# KiCad board sap-1_mk2.kicad_pcb
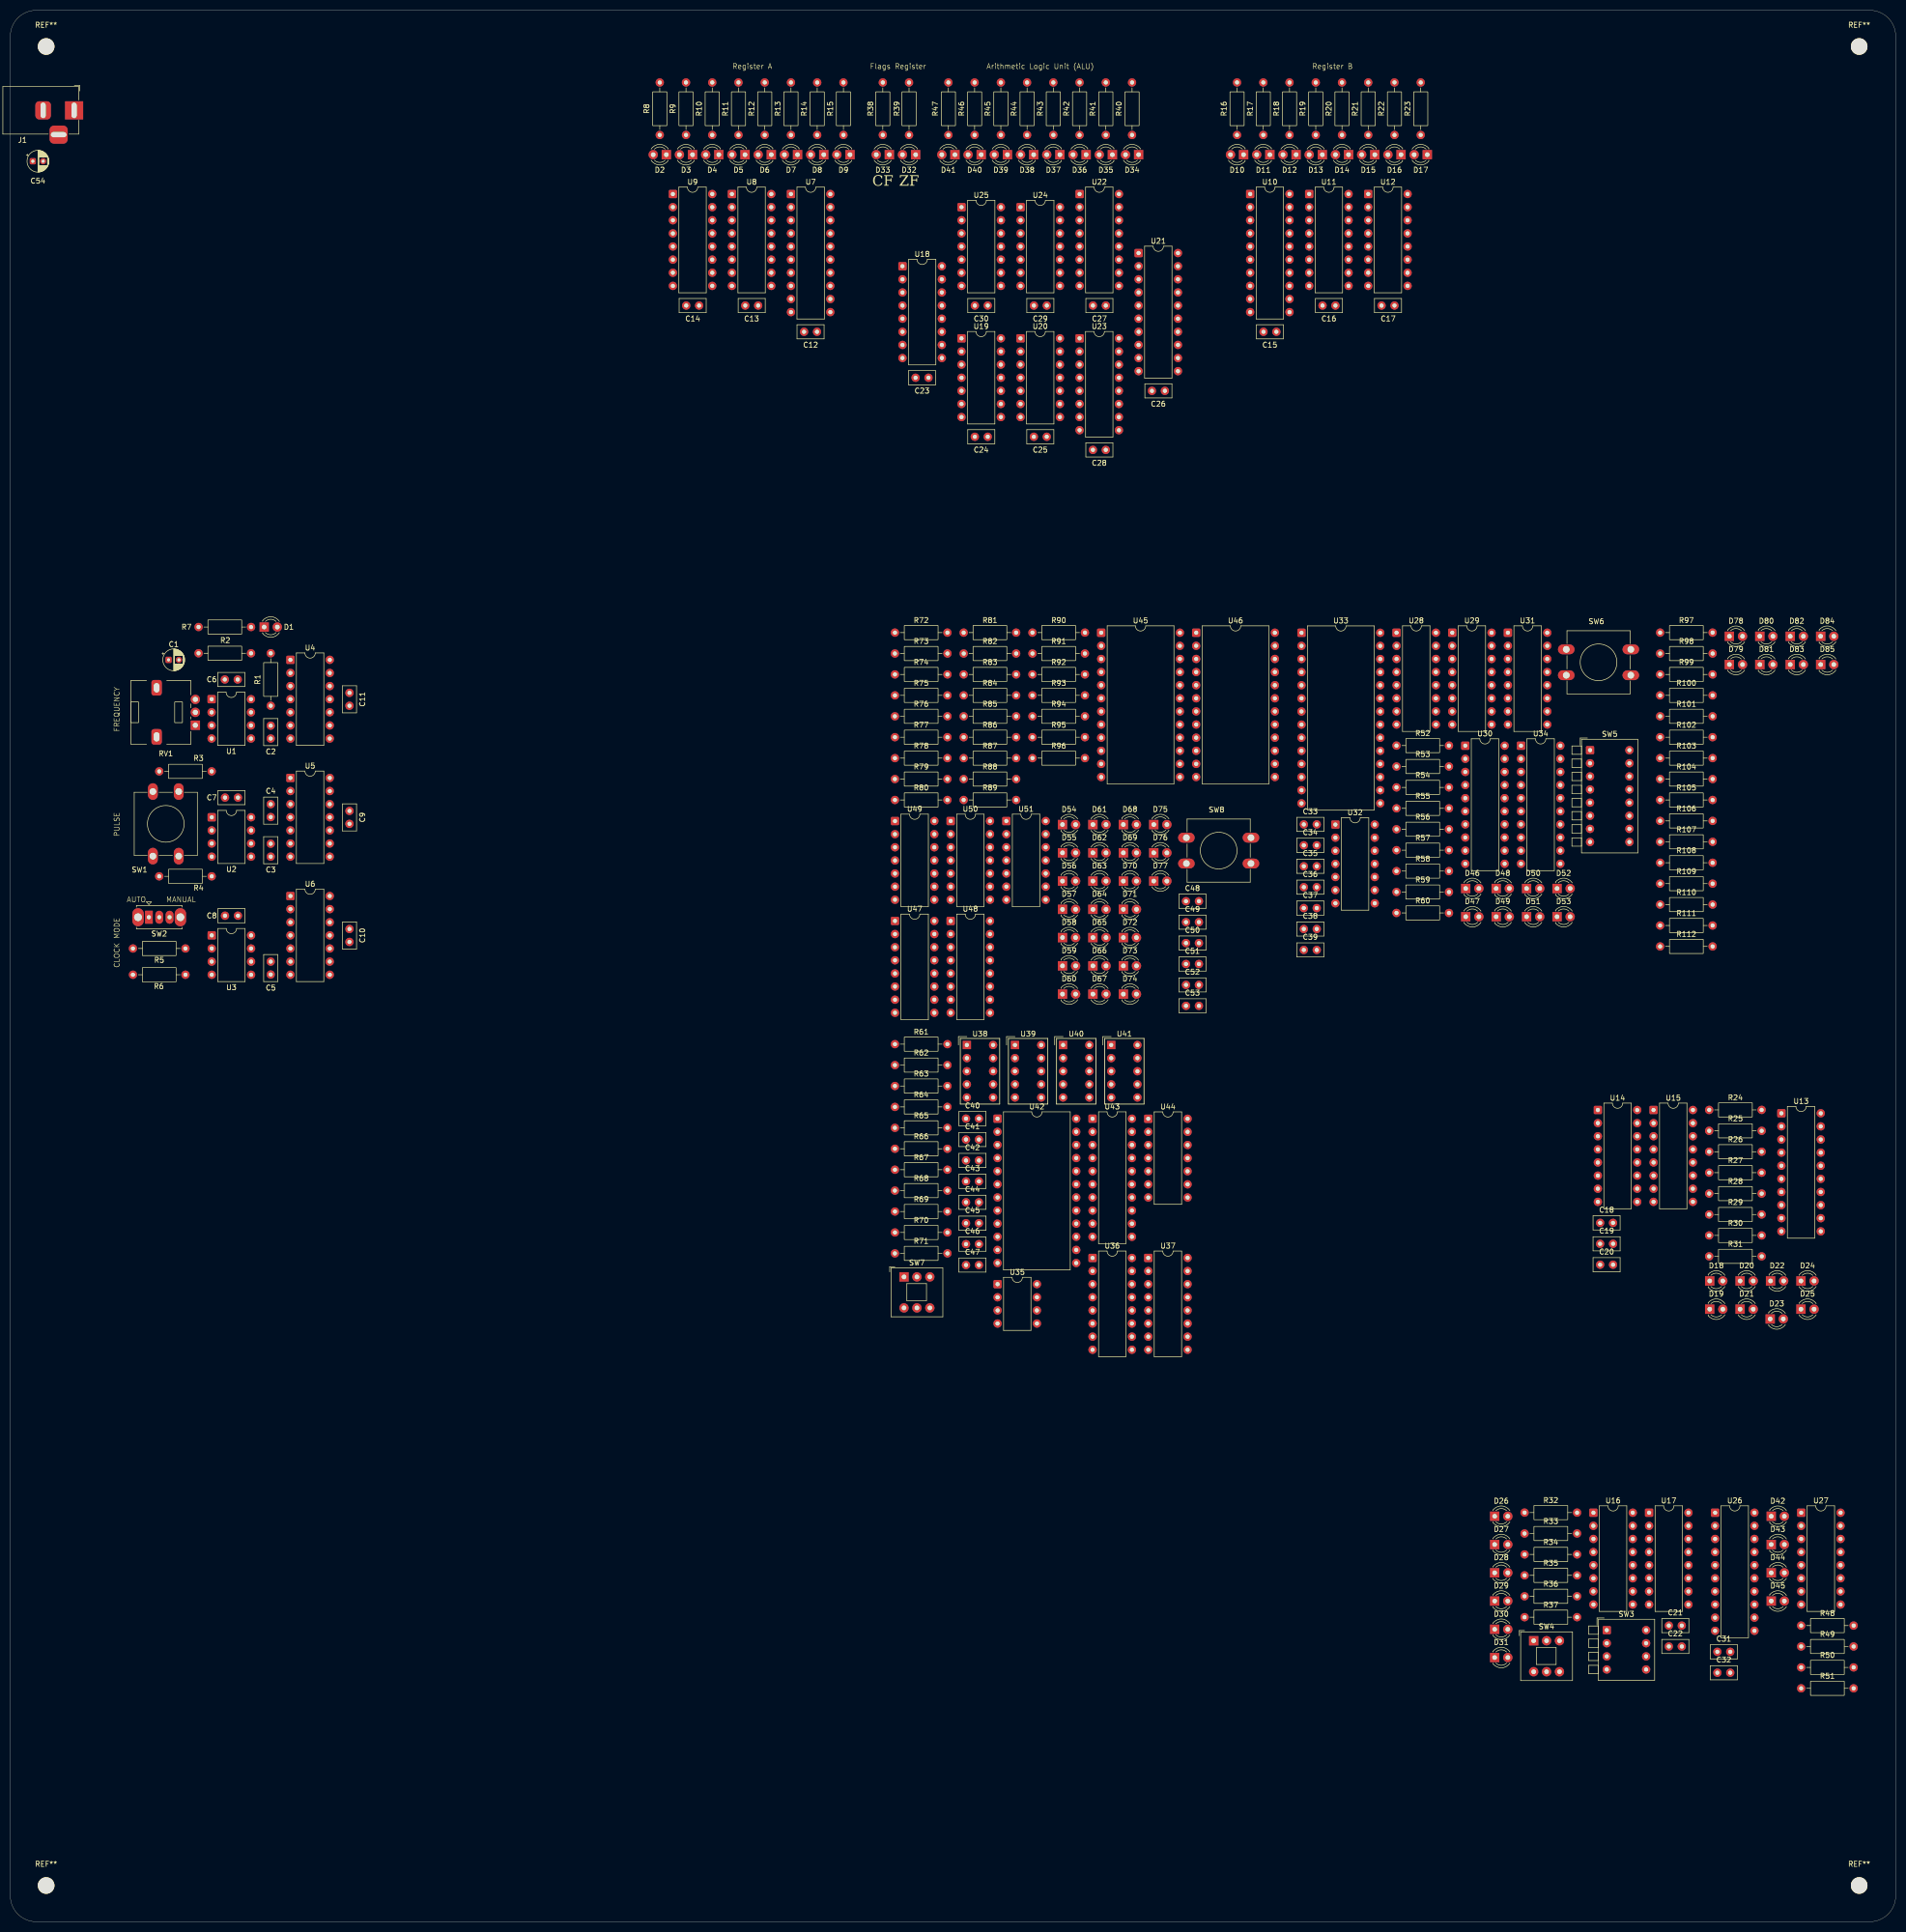
[diagram p0: board, top side]
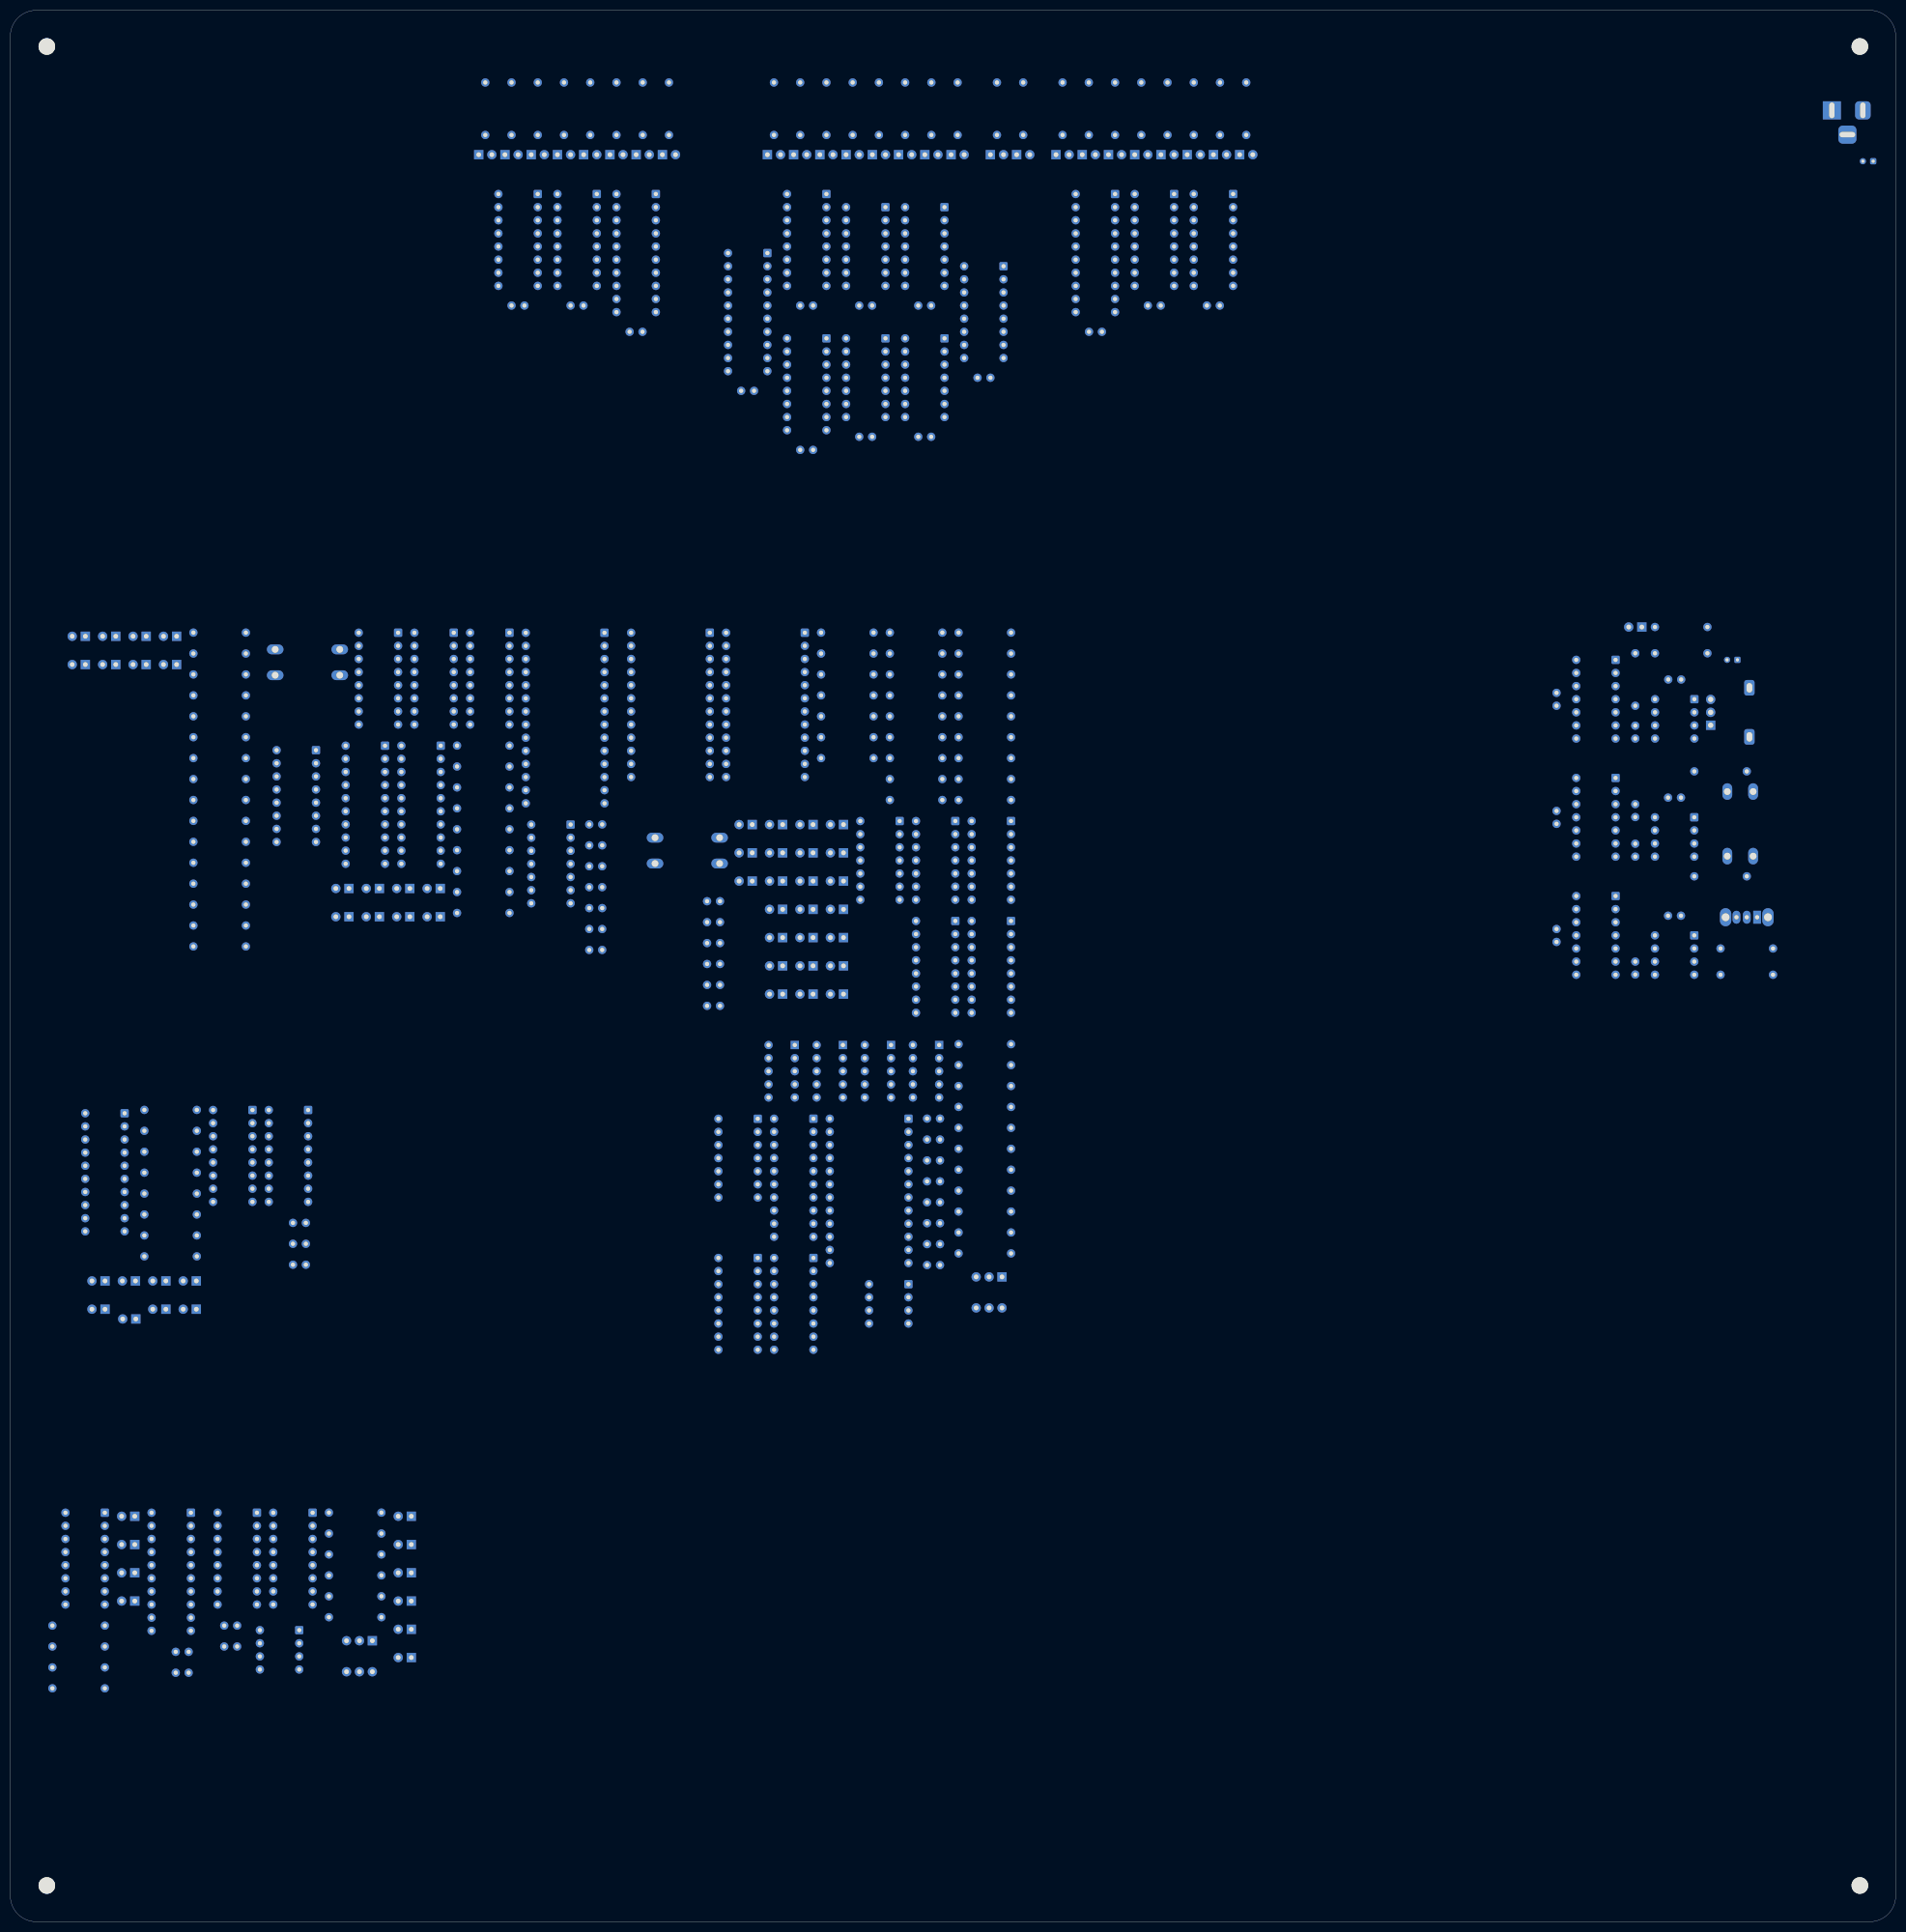
[diagram p1: board, bottom side, seen from below]

Outline 365 x 370 mm; copper layers: Top, GND_PLANE (plane), VCC_PLANE (plane), Bottom. Coordinates in mm from the lower left corner of the outline.
Outline path: rectangle 0,370 365,0
Stack: Top 0.035mm / dielectric 0.1mm FR4 er 4.5 / GND_PLANE 0.035mm / dielectric 1.24mm FR4 er 4.5 / VCC_PLANE 0.035mm / dielectric 0.1mm FR4 er 4.5 / Bottom 0.035mm

## Placement (name value [footprint] x y rotation side)
C1  1μF  [CP_Radial_D4.0mm_P2.00mm]  30.63 244.27 0 top
C2  0.01μF  [C_Disc_D5.0mm_W2.5mm_P2.50mm]  50.42 231.53 270 top
C3  0.01μF  [C_Disc_D5.0mm_W2.5mm_P2.50mm]  50.42 208.67 270 top
C4  0.1μF  [C_Disc_D5.0mm_W2.5mm_P2.50mm]  50.42 216.33 270 top
C5  0.01μF  [C_Disc_D5.0mm_W2.5mm_P2.50mm]  50.42 185.85 270 top
C6  0.1μF  [C_Disc_D5.0mm_W2.5mm_P2.50mm]  41.53 240.46 0 top
C7  0.1μF  [C_Disc_D5.0mm_W2.5mm_P2.50mm]  41.56 217.6 0 top
C8  0.1μF  [C_Disc_D5.0mm_W2.5mm_P2.50mm]  41.56 194.74 0 top
C9  0.1μF  [C_Disc_D5.0mm_W2.5mm_P2.50mm]  65.66 215.02 270 top
C10  0.1μF  [C_Disc_D5.0mm_W2.5mm_P2.50mm]  65.66 192.16 270 top
C11  0.1μF  [C_Disc_D5.0mm_W2.5mm_P2.50mm]  65.66 237.88 270 top
C12  0.1μF  [C_Disc_D5.0mm_W2.5mm_P2.50mm]  156.17 307.77 180 top
C13  0.1μF  [C_Disc_D5.0mm_W2.5mm_P2.50mm]  144.78 312.85 180 top
C14  0.1μF  [C_Disc_D5.0mm_W2.5mm_P2.50mm]  133.35 312.85 180 top
C15  0.1μF  [C_Disc_D5.0mm_W2.5mm_P2.50mm]  245.11 307.77 180 top
C16  0.1μF  [C_Disc_D5.0mm_W2.5mm_P2.50mm]  256.54 312.85 180 top
C17  0.1μF  [C_Disc_D5.0mm_W2.5mm_P2.50mm]  267.97 312.85 180 top
C18  0.1μF  [C_Disc_D5.0mm_W2.5mm_P2.50mm]  307.79 135.27 0 top
C19  0.1μF  [C_Disc_D5.0mm_W2.5mm_P2.50mm]  307.79 131.22 0 top
C20  0.1μF  [C_Disc_D5.0mm_W2.5mm_P2.50mm]  307.79 127.17 0 top
C21  0.1μF  [C_Disc_D5.0mm_W2.5mm_P2.50mm]  321.09 57.32 0 top
C22  0.1μF  [C_Disc_D5.0mm_W2.5mm_P2.50mm]  321.09 53.27 0 top
C23  0.1μF  [C_Disc_D5.0mm_W2.5mm_P2.50mm]  175.26 298.88 0 top
C24  0.1μF  [C_Disc_D5.0mm_W2.5mm_P2.50mm]  186.73 287.45 0 top
C25  0.1μF  [C_Disc_D5.0mm_W2.5mm_P2.50mm]  198.16 287.45 0 top
C26  0.1μF  [C_Disc_D5.0mm_W2.5mm_P2.50mm]  221.02 296.34 0 top
C27  0.1μF  [C_Disc_D5.0mm_W2.5mm_P2.50mm]  209.59 312.85 0 top
C28  0.1μF  [C_Disc_D5.0mm_W2.5mm_P2.50mm]  209.59 284.91 0 top
C29  0.1μF  [C_Disc_D5.0mm_W2.5mm_P2.50mm]  198.16 312.85 0 top
C30  0.1μF  [C_Disc_D5.0mm_W2.5mm_P2.50mm]  186.73 312.85 0 top
C31  0.1μF  [C_Disc_D5.0mm_W2.5mm_P2.50mm]  330.48 52.24 0 top
C32  0.1μF  [C_Disc_D5.0mm_W2.5mm_P2.50mm]  330.48 48.19 0 top
C33  0.1μF  [C_Disc_D5.0mm_W2.5mm_P2.50mm]  250.42 212.41 0 top
C34  0.1μF  [C_Disc_D5.0mm_W2.5mm_P2.50mm]  250.42 208.36 0 top
C35  0.1μF  [C_Disc_D5.0mm_W2.5mm_P2.50mm]  250.42 204.31 0 top
C36  0.1μF  [C_Disc_D5.0mm_W2.5mm_P2.50mm]  250.42 200.26 0 top
C37  0.01μF  [C_Disc_D5.0mm_W2.5mm_P2.50mm]  250.42 196.21 0 top
C38  0.1μF  [C_Disc_D5.0mm_W2.5mm_P2.50mm]  250.42 192.16 0 top
C39  0.1μF  [C_Disc_D5.0mm_W2.5mm_P2.50mm]  250.42 188.11 0 top
C40  0.1μF  [C_Disc_D5.0mm_W2.5mm_P2.50mm]  185.02 155.46 0 top
C41  0.01μF  [C_Disc_D5.0mm_W2.5mm_P2.50mm]  185.02 151.41 0 top
C42  0.01μF  [C_Disc_D5.0mm_W2.5mm_P2.50mm]  185.02 147.36 0 top
C43  0.1μF  [C_Disc_D5.0mm_W2.5mm_P2.50mm]  185.02 143.31 0 top
C44  0.1μF  [C_Disc_D5.0mm_W2.5mm_P2.50mm]  185.02 139.26 0 top
C45  0.1μF  [C_Disc_D5.0mm_W2.5mm_P2.50mm]  185.02 135.21 0 top
C46  0.1μF  [C_Disc_D5.0mm_W2.5mm_P2.50mm]  185.02 131.16 0 top
C47  0.1μF  [C_Disc_D5.0mm_W2.5mm_P2.50mm]  185.02 127.11 0 top
C48  0.1μF  [C_Disc_D5.0mm_W2.5mm_P2.50mm]  227.61 197.54 0 top
C49  0.1μF  [C_Disc_D5.0mm_W2.5mm_P2.50mm]  227.61 193.49 0 top
C50  0.1μF  [C_Disc_D5.0mm_W2.5mm_P2.50mm]  227.61 189.44 0 top
C51  0.1μF  [C_Disc_D5.0mm_W2.5mm_P2.50mm]  227.61 185.39 0 top
C52  0.1μF  [C_Disc_D5.0mm_W2.5mm_P2.50mm]  227.61 181.34 0 top
C53  0.1μF  [C_Disc_D5.0mm_W2.5mm_P2.50mm]  227.61 177.29 0 top
C54  470uF 16V  [CP_Radial_D4.0mm_P2.00mm]  4.35 340.79 0 top
D1  BLUE  [LED_D3.0mm]  49.15 250.62 0 top
D2  RED  [LED_D3.0mm]  127 342.06 180 top
D3  RED  [LED_D3.0mm]  132.08 342.06 180 top
D4  RED  [LED_D3.0mm]  137.16 342.06 180 top
D5  RED  [LED_D3.0mm]  142.24 342.06 180 top
D6  RED  [LED_D3.0mm]  147.32 342.06 180 top
D7  RED  [LED_D3.0mm]  152.4 342.06 180 top
D8  RED  [LED_D3.0mm]  157.48 342.06 180 top
D9  RED  [LED_D3.0mm]  162.56 342.06 180 top
D10  RED  [LED_D3.0mm]  238.76 342.06 180 top
D11  RED  [LED_D3.0mm]  243.84 342.06 180 top
D12  RED  [LED_D3.0mm]  248.92 342.06 180 top
D13  RED  [LED_D3.0mm]  254 342.06 180 top
D14  RED  [LED_D3.0mm]  259.08 342.06 180 top
D15  RED  [LED_D3.0mm]  264.16 342.06 180 top
D16  RED  [LED_D3.0mm]  269.24 342.06 180 top
D17  RED  [LED_D3.0mm]  274.32 342.06 180 top
D18  BLUE  [LED_D3.0mm]  329 124.03 0 top
D19  BLUE  [LED_D3.0mm]  329 118.56 0 top
D20  BLUE  [LED_D3.0mm]  334.88 124.03 0 top
D21  BLUE  [LED_D3.0mm]  334.88 118.56 0 top
D22  YELLOW  [LED_D3.0mm]  340.78 124.03 0 top
D23  YELLOW  [LED_D3.0mm]  340.71 116.67 0 top
D24  YELLOW  [LED_D3.0mm]  346.67 124.03 0 top
D25  YELLOW  [LED_D3.0mm]  346.67 118.56 0 top
D26  YELLOW  [LED_D3.0mm]  287.37 78.48 0 top
D27  YELLOW  [LED_D3.0mm]  287.37 73.01 0 top
D28  YELLOW  [LED_D3.0mm]  287.37 67.54 0 top
D29  YELLOW  [LED_D3.0mm]  287.37 62.07 0 top
D30  RED  [LED_D3.0mm]  287.37 56.6 0 top
D31  GREEN  [LED_D3.0mm]  287.37 51.13 0 top
D32  YELLOW  [LED_D3.0mm]  175.26 342.06 180 top
D33  YELLOW  [LED_D3.0mm]  170.18 342.06 180 top
D34  RED  [LED_D3.0mm]  218.44 342.06 180 top
D35  RED  [LED_D3.0mm]  213.36 342.06 180 top
D36  RED  [LED_D3.0mm]  208.28 342.06 180 top
D37  RED  [LED_D3.0mm]  203.2 342.06 180 top
D38  RED  [LED_D3.0mm]  198.12 342.06 180 top
D39  RED  [LED_D3.0mm]  193.04 342.06 180 top
D40  RED  [LED_D3.0mm]  187.96 342.06 180 top
D41  RED  [LED_D3.0mm]  182.88 342.06 180 top
D42  GREEN  [LED_D3.0mm]  340.91 78.48 0 top
D43  GREEN  [LED_D3.0mm]  340.91 73.01 0 top
D44  GREEN  [LED_D3.0mm]  340.91 67.54 0 top
D45  GREEN  [LED_D3.0mm]  340.91 62.07 0 top
D46  RED  [LED_D3.0mm]  281.77 200.01 0 top
D47  RED  [LED_D3.0mm]  281.77 194.54 0 top
D48  RED  [LED_D3.0mm]  287.66 200.01 0 top
D49  RED  [LED_D3.0mm]  287.66 194.54 0 top
D50  RED  [LED_D3.0mm]  293.55 200.01 0 top
D51  RED  [LED_D3.0mm]  293.55 194.54 0 top
D52  RED  [LED_D3.0mm]  299.44 200.01 0 top
D53  RED  [LED_D3.0mm]  299.44 194.54 0 top
D54  RED  [LED_D3.0mm]  203.7 212.38 0 top
D55  RED  [LED_D3.0mm]  203.7 206.91 0 top
D56  RED  [LED_D3.0mm]  203.7 201.44 0 top
D57  GREEN  [LED_D3.0mm]  203.7 195.97 0 top
D58  GREEN  [LED_D3.0mm]  203.7 190.5 0 top
D59  GREEN  [LED_D3.0mm]  203.7 185.03 0 top
D60  GREEN  [LED_D3.0mm]  203.7 179.56 0 top
D61  GREEN  [LED_D3.0mm]  209.59 212.38 0 top
D62  BLUE  [LED_D3.0mm]  209.59 206.91 0 top
D63  BLUE  [LED_D3.0mm]  209.59 201.44 0 top
D64  BLUE  [LED_D3.0mm]  209.59 195.97 0 top
D65  BLUE  [LED_D3.0mm]  209.59 190.5 0 top
D66  BLUE  [LED_D3.0mm]  209.59 185.03 0 top
D67  BLUE  [LED_D3.0mm]  209.59 179.56 0 top
D68  BLUE  [LED_D3.0mm]  215.48 212.38 0 top
D69  BLUE  [LED_D3.0mm]  215.48 206.91 0 top
D70  BLUE  [LED_D3.0mm]  215.48 201.44 0 top
D71  BLUE  [LED_D3.0mm]  215.48 195.97 0 top
D72  BLUE  [LED_D3.0mm]  215.48 190.5 0 top
D73  BLUE  [LED_D3.0mm]  215.48 185.03 0 top
D74  BLUE  [LED_D3.0mm]  215.48 179.56 0 top
D75  BLUE  [LED_D3.0mm]  221.37 212.38 0 top
D76  BLUE  [LED_D3.0mm]  221.37 206.91 0 top
D77  BLUE  [LED_D3.0mm]  221.37 201.44 0 top
D78  RED  [LED_D3.0mm]  332.81 248.83 0 top
D79  RED  [LED_D3.0mm]  332.81 243.36 0 top
D80  RED  [LED_D3.0mm]  338.7 248.83 0 top
D81  RED  [LED_D3.0mm]  338.7 243.36 0 top
D82  RED  [LED_D3.0mm]  344.59 248.83 0 top
D83  RED  [LED_D3.0mm]  344.59 243.36 0 top
D84  RED  [LED_D3.0mm]  350.48 248.83 0 top
D85  RED  [LED_D3.0mm]  350.48 243.36 0 top
J1  Barrel_Jack  [BarrelJack_Horizontal]  12.35 350.64 0 top
R1  1K  [R_Axial_DIN0207_L6.3mm_D2.5mm_P10.16mm_Horizontal]  50.42 235.38 90 top
R2  1K  [R_Axial_DIN0207_L6.3mm_D2.5mm_P10.16mm_Horizontal]  46.61 245.54 180 top
R3  1K  [R_Axial_DIN0207_L6.3mm_D2.5mm_P10.16mm_Horizontal]  38.99 222.68 180 top
R4  1K  [R_Axial_DIN0207_L6.3mm_D2.5mm_P10.16mm_Horizontal]  28.82 202.36 0 top
R5  1K  [R_Axial_DIN0207_L6.3mm_D2.5mm_P10.16mm_Horizontal]  33.91 188.39 180 top
R6  1K  [R_Axial_DIN0207_L6.3mm_D2.5mm_P10.16mm_Horizontal]  33.91 183.31 180 top
R7  220  [R_Axial_DIN0207_L6.3mm_D2.5mm_P10.16mm_Horizontal]  46.61 250.62 180 top
R8  220  [R_Axial_DIN0207_L6.3mm_D2.5mm_P10.16mm_Horizontal]  125.73 345.87 90 top
R9  220  [R_Axial_DIN0207_L6.3mm_D2.5mm_P10.16mm_Horizontal]  130.81 345.87 90 top
R10  220  [R_Axial_DIN0207_L6.3mm_D2.5mm_P10.16mm_Horizontal]  135.89 345.87 90 top
R11  220  [R_Axial_DIN0207_L6.3mm_D2.5mm_P10.16mm_Horizontal]  140.97 345.87 90 top
R12  220  [R_Axial_DIN0207_L6.3mm_D2.5mm_P10.16mm_Horizontal]  146.05 345.87 90 top
R13  220  [R_Axial_DIN0207_L6.3mm_D2.5mm_P10.16mm_Horizontal]  151.13 345.87 90 top
R14  220  [R_Axial_DIN0207_L6.3mm_D2.5mm_P10.16mm_Horizontal]  156.21 345.87 90 top
R15  220  [R_Axial_DIN0207_L6.3mm_D2.5mm_P10.16mm_Horizontal]  161.29 345.87 90 top
R16  220  [R_Axial_DIN0207_L6.3mm_D2.5mm_P10.16mm_Horizontal]  237.49 345.87 90 top
R17  220  [R_Axial_DIN0207_L6.3mm_D2.5mm_P10.16mm_Horizontal]  242.57 345.87 90 top
R18  220  [R_Axial_DIN0207_L6.3mm_D2.5mm_P10.16mm_Horizontal]  247.65 345.87 90 top
R19  220  [R_Axial_DIN0207_L6.3mm_D2.5mm_P10.16mm_Horizontal]  252.73 345.87 90 top
R20  220  [R_Axial_DIN0207_L6.3mm_D2.5mm_P10.16mm_Horizontal]  257.81 345.87 90 top
R21  220  [R_Axial_DIN0207_L6.3mm_D2.5mm_P10.16mm_Horizontal]  262.89 345.87 90 top
R22  220  [R_Axial_DIN0207_L6.3mm_D2.5mm_P10.16mm_Horizontal]  267.97 345.87 90 top
R23  220  [R_Axial_DIN0207_L6.3mm_D2.5mm_P10.16mm_Horizontal]  273.05 345.87 90 top
R24  220  [R_Axial_DIN0207_L6.3mm_D2.5mm_P10.16mm_Horizontal]  328.89 157.14 0 top
R25  220  [R_Axial_DIN0207_L6.3mm_D2.5mm_P10.16mm_Horizontal]  328.89 153.09 0 top
R26  220  [R_Axial_DIN0207_L6.3mm_D2.5mm_P10.16mm_Horizontal]  328.89 149.04 0 top
R27  220  [R_Axial_DIN0207_L6.3mm_D2.5mm_P10.16mm_Horizontal]  328.89 145 0 top
R28  220  [R_Axial_DIN0207_L6.3mm_D2.5mm_P10.16mm_Horizontal]  328.89 140.94 0 top
R29  220  [R_Axial_DIN0207_L6.3mm_D2.5mm_P10.16mm_Horizontal]  328.89 136.89 0 top
R30  220  [R_Axial_DIN0207_L6.3mm_D2.5mm_P10.16mm_Horizontal]  328.89 132.84 0 top
R31  220  [R_Axial_DIN0207_L6.3mm_D2.5mm_P10.16mm_Horizontal]  328.89 128.79 0 top
R32  220  [R_Axial_DIN0207_L6.3mm_D2.5mm_P10.16mm_Horizontal]  293.16 79.19 0 top
R33  220  [R_Axial_DIN0207_L6.3mm_D2.5mm_P10.16mm_Horizontal]  293.16 75.14 0 top
R34  220  [R_Axial_DIN0207_L6.3mm_D2.5mm_P10.16mm_Horizontal]  293.16 71.09 0 top
R35  220  [R_Axial_DIN0207_L6.3mm_D2.5mm_P10.16mm_Horizontal]  293.16 67.04 0 top
R36  1K  [R_Axial_DIN0207_L6.3mm_D2.5mm_P10.16mm_Horizontal]  293.16 62.99 0 top
R37  1K  [R_Axial_DIN0207_L6.3mm_D2.5mm_P10.16mm_Horizontal]  293.16 58.94 0 top
R38  220  [R_Axial_DIN0207_L6.3mm_D2.5mm_P10.16mm_Horizontal]  168.91 345.87 90 top
R39  220  [R_Axial_DIN0207_L6.3mm_D2.5mm_P10.16mm_Horizontal]  173.99 345.87 90 top
R40  220  [R_Axial_DIN0207_L6.3mm_D2.5mm_P10.16mm_Horizontal]  217.17 356.03 270 top
R41  220  [R_Axial_DIN0207_L6.3mm_D2.5mm_P10.16mm_Horizontal]  212.09 356.03 270 top
R42  220  [R_Axial_DIN0207_L6.3mm_D2.5mm_P10.16mm_Horizontal]  207.01 356.03 270 top
R43  220  [R_Axial_DIN0207_L6.3mm_D2.5mm_P10.16mm_Horizontal]  201.93 356.03 270 top
R44  220  [R_Axial_DIN0207_L6.3mm_D2.5mm_P10.16mm_Horizontal]  196.85 356.03 270 top
R45  220  [R_Axial_DIN0207_L6.3mm_D2.5mm_P10.16mm_Horizontal]  191.77 356.03 270 top
R46  220  [R_Axial_DIN0207_L6.3mm_D2.5mm_P10.16mm_Horizontal]  186.69 356.03 270 top
R47  220  [R_Axial_DIN0207_L6.3mm_D2.5mm_P10.16mm_Horizontal]  181.61 356.03 270 top
R48  220  [R_Axial_DIN0207_L6.3mm_D2.5mm_P10.16mm_Horizontal]  346.7 57.32 0 top
R49  220  [R_Axial_DIN0207_L6.3mm_D2.5mm_P10.16mm_Horizontal]  346.7 53.27 0 top
R50  220  [R_Axial_DIN0207_L6.3mm_D2.5mm_P10.16mm_Horizontal]  346.7 49.22 0 top
R51  220  [R_Axial_DIN0207_L6.3mm_D2.5mm_P10.16mm_Horizontal]  346.7 45.17 0 top
R52  220  [R_Axial_DIN0207_L6.3mm_D2.5mm_P10.16mm_Horizontal]  268.36 227.67 0 top
R53  220  [R_Axial_DIN0207_L6.3mm_D2.5mm_P10.16mm_Horizontal]  268.36 223.62 0 top
R54  220  [R_Axial_DIN0207_L6.3mm_D2.5mm_P10.16mm_Horizontal]  268.36 219.57 0 top
R55  220  [R_Axial_DIN0207_L6.3mm_D2.5mm_P10.16mm_Horizontal]  268.36 215.52 0 top
R56  220  [R_Axial_DIN0207_L6.3mm_D2.5mm_P10.16mm_Horizontal]  268.36 211.47 0 top
R57  220  [R_Axial_DIN0207_L6.3mm_D2.5mm_P10.16mm_Horizontal]  268.36 207.42 0 top
R58  220  [R_Axial_DIN0207_L6.3mm_D2.5mm_P10.16mm_Horizontal]  268.36 203.37 0 top
R59  220  [R_Axial_DIN0207_L6.3mm_D2.5mm_P10.16mm_Horizontal]  268.36 199.32 0 top
R60  1K  [R_Axial_DIN0207_L6.3mm_D2.5mm_P10.16mm_Horizontal]  268.36 195.27 0 top
R61  1K  [R_Axial_DIN0207_L6.3mm_D2.5mm_P10.16mm_Horizontal]  171.26 169.87 0 top
R62  100K  [R_Axial_DIN0207_L6.3mm_D2.5mm_P10.16mm_Horizontal]  171.26 165.82 0 top
R63  10K  [R_Axial_DIN0207_L6.3mm_D2.5mm_P10.16mm_Horizontal]  171.26 161.77 0 top
R64  220  [R_Axial_DIN0207_L6.3mm_D2.5mm_P10.16mm_Horizontal]  171.26 157.72 0 top
R65  220  [R_Axial_DIN0207_L6.3mm_D2.5mm_P10.16mm_Horizontal]  171.26 153.67 0 top
R66  220  [R_Axial_DIN0207_L6.3mm_D2.5mm_P10.16mm_Horizontal]  171.26 149.62 0 top
R67  220  [R_Axial_DIN0207_L6.3mm_D2.5mm_P10.16mm_Horizontal]  171.26 145.57 0 top
R68  220  [R_Axial_DIN0207_L6.3mm_D2.5mm_P10.16mm_Horizontal]  171.26 141.52 0 top
R69  220  [R_Axial_DIN0207_L6.3mm_D2.5mm_P10.16mm_Horizontal]  171.26 137.47 0 top
R70  220  [R_Axial_DIN0207_L6.3mm_D2.5mm_P10.16mm_Horizontal]  171.26 133.42 0 top
R71  220  [R_Axial_DIN0207_L6.3mm_D2.5mm_P10.16mm_Horizontal]  171.26 129.37 0 top
R72  220  [R_Axial_DIN0207_L6.3mm_D2.5mm_P10.16mm_Horizontal]  171.26 249.54 0 top
R73  220  [R_Axial_DIN0207_L6.3mm_D2.5mm_P10.16mm_Horizontal]  171.26 245.49 0 top
R74  220  [R_Axial_DIN0207_L6.3mm_D2.5mm_P10.16mm_Horizontal]  171.26 241.44 0 top
R75  220  [R_Axial_DIN0207_L6.3mm_D2.5mm_P10.16mm_Horizontal]  171.26 237.39 0 top
R76  220  [R_Axial_DIN0207_L6.3mm_D2.5mm_P10.16mm_Horizontal]  171.26 233.34 0 top